# Altium PCB SensorMotherBoard.PcbDoc (part 1 of 2) (continued)
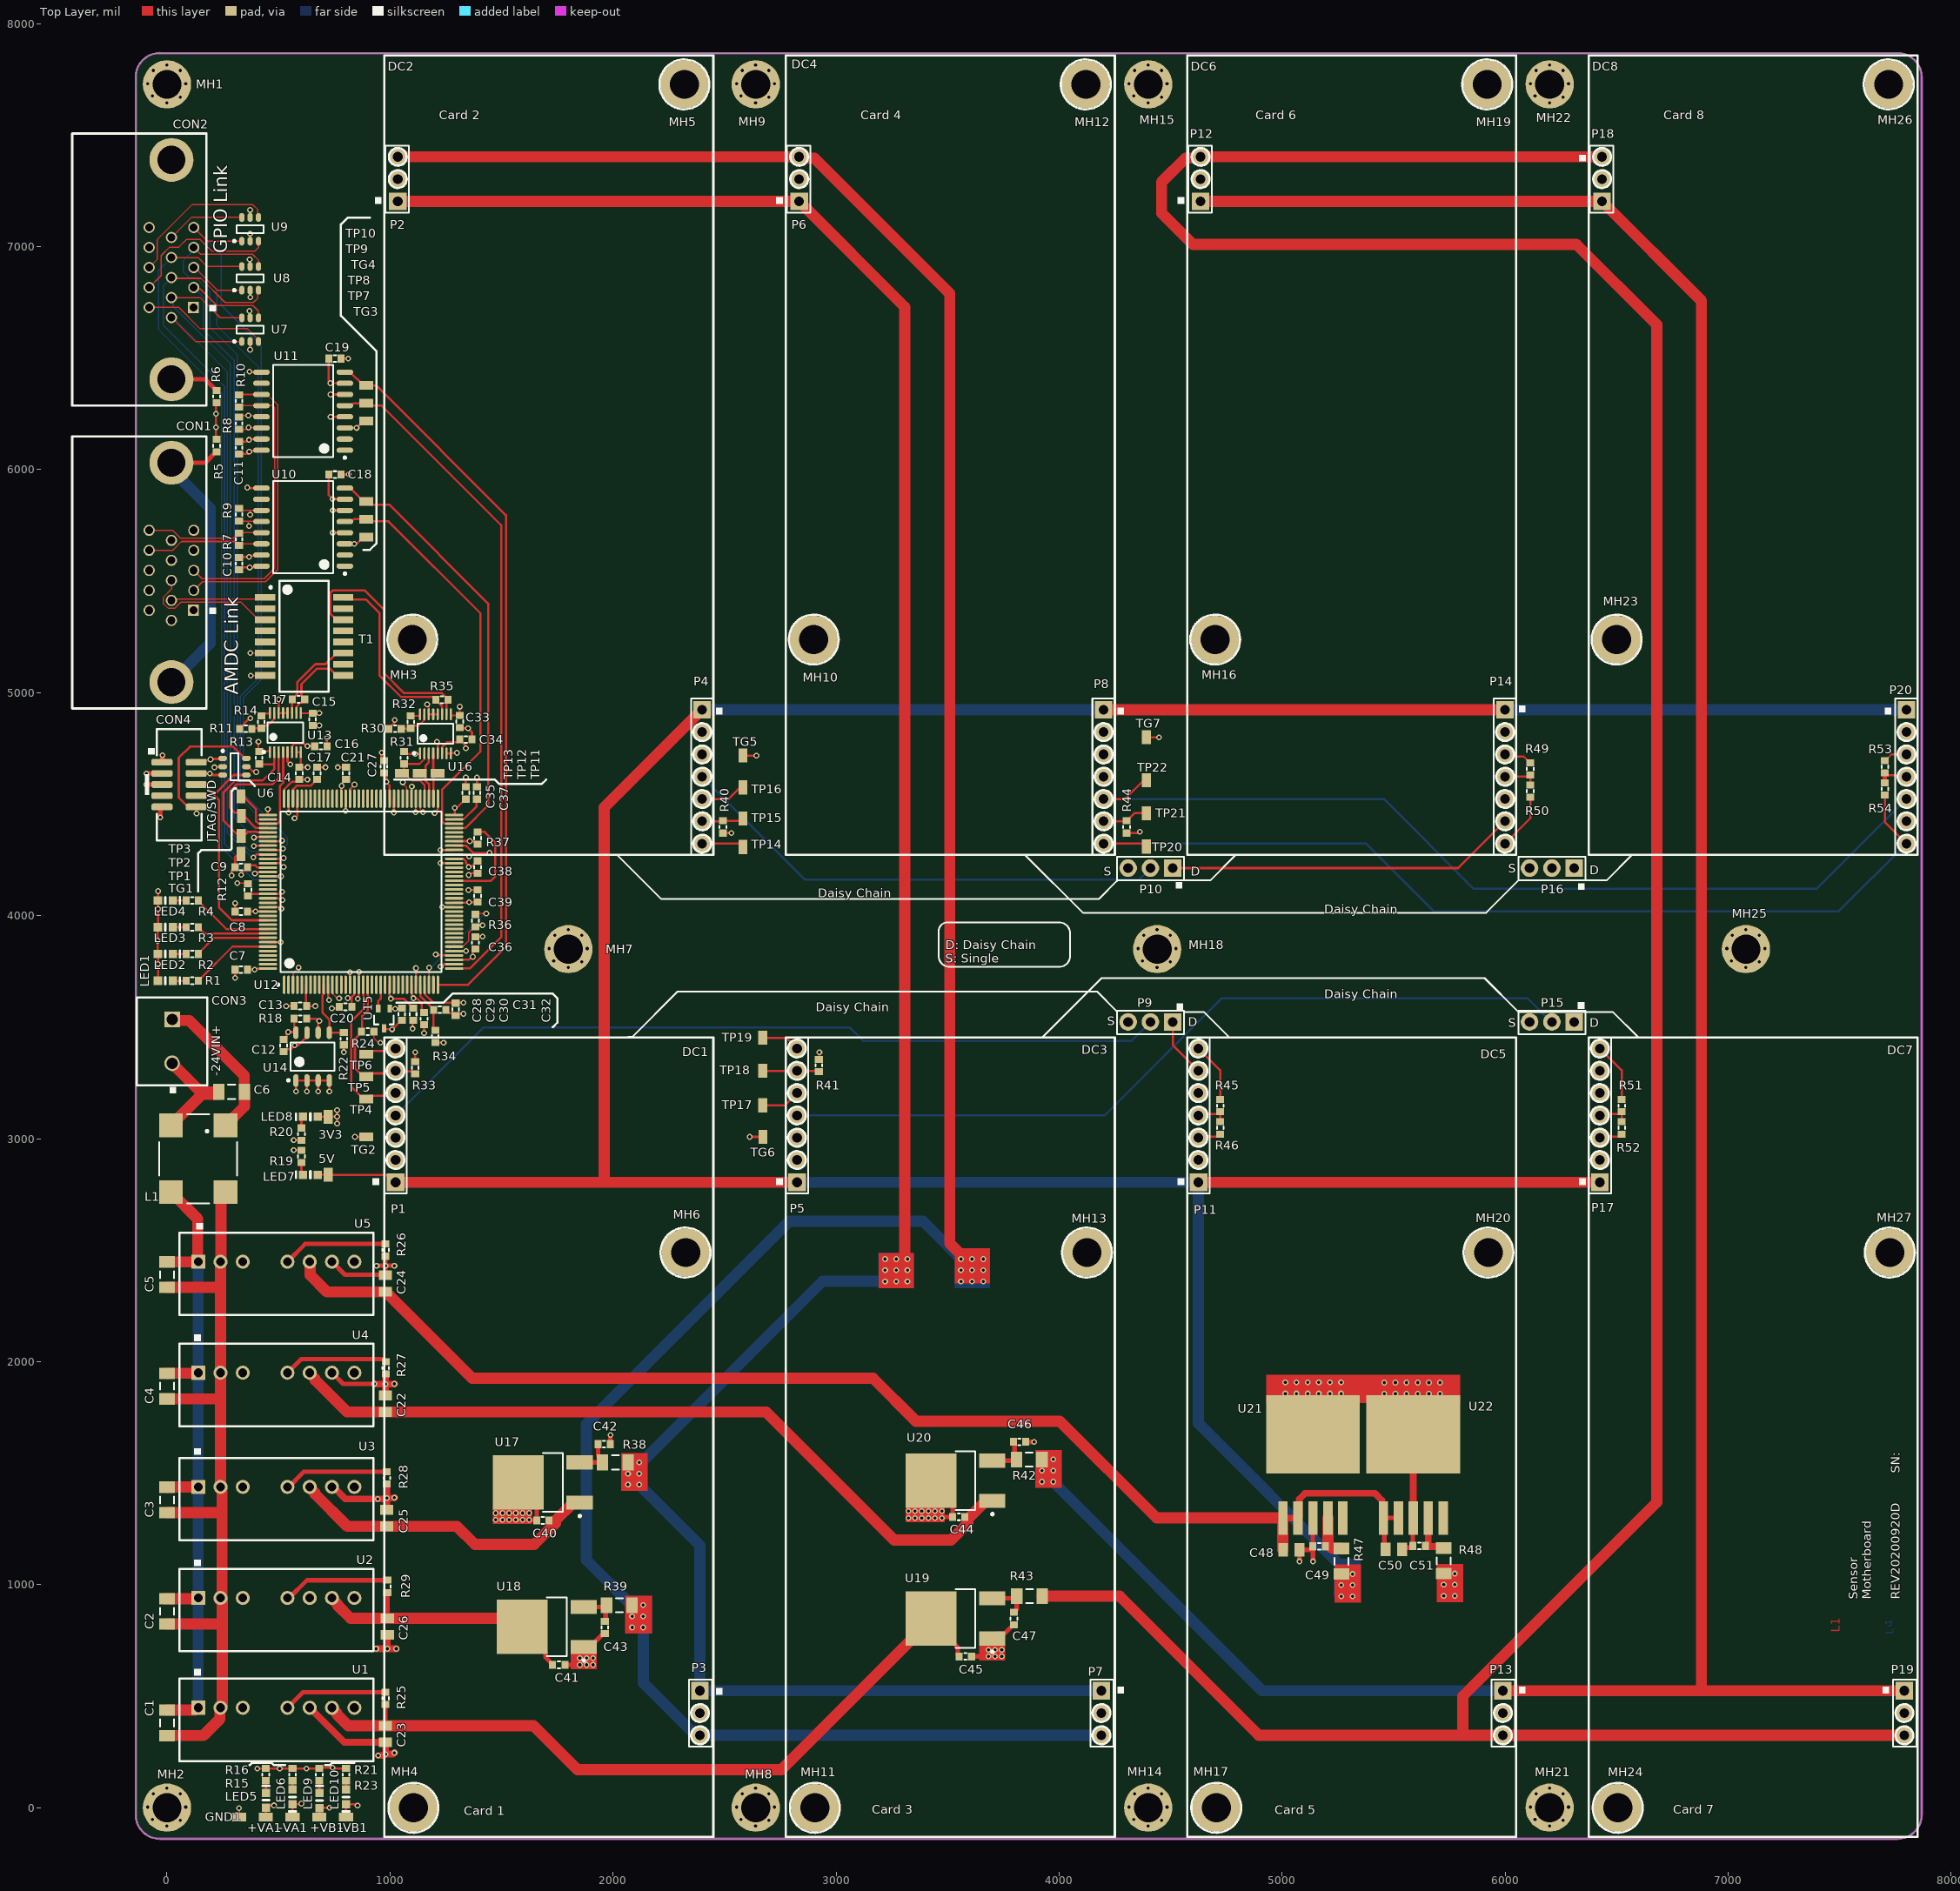
[diagram p0: Top Layer view]
## Footprints (in the part's own frame and the unit in brackets; to place one, negate y for a bottom-side part, rotate by r counter-clockwise, add the part's x,y. Pads: shape width x height; smd on the part's side, far side on the other; paste and mask are expansions set on the pad)
5-DDPAK [mil] "Q PACKAGE  5-LEAD PLASTIC DD"
  rect 42x150 smd: 1(-134,0) 2(-67,0) 3(0,0) 4(67,0) 5(134,0)
  rect 420x350 smd: 6(0,375)
  body extent -200,-7 200,545, height 180
0603-CAP [mm]
  rect 0.8x0.9 smd: 1(-0.7,0) 2(0.7,0)
  silkscreen extent -0.13,-0.38 0.15,0.38, body extent -0.8,-0.4 0.8,0.4, height 0.79
0603-LED [mm]
  rect 0.95x0.95 smd: A(0.85,0) C(-0.85,0)
  silkscreen extent -1.65,-0.38 0,0.38, body extent -0.83,-0.37 0.82,0.81, height 0.8
0603-RES [mm]
  rect 0.8x0.9 smd: 1(-0.7,0) 2(0.7,0)
  silkscreen extent -0.13,-0.38 0.15,0.38, body extent -0.8,-0.38 0.8,0.42, height 0.44
1935161 [mil] "TERM BLOCK PCB 2POS 5.0MM GREEN"
  rect 70x70 hole 51.18: 1(-98.43,0)
  round 70 hole 51.18: 2(98.43,0)
  silkscreen extent -197,-157 197,157
20021521-00010D4LF [mm] "CONN HEADER SMD 10POS 1.27MM"
  rrect50% 0.76x2.4 smd: 1(-2.54,-1.95) 2(-2.54,1.95) 3(-1.27,-1.95) 4(-1.27,1.95) 5(0,-1.95) 6(0,1.95) 7(1.27,-1.95) 8(1.27,1.95) 9(2.54,-1.95) 10(2.54,1.95)
  silkscreen extent -6.32,-3.9 6.38,2.55, body extent -6.32,-2.75 6.33,2.75, height 5.65
CAP-0603 [mm]
  rect 0.8x0.9 smd: 1(-0.7,0) 2(0.7,0)
  silkscreen extent -0.13,-0.38 0.15,0.38, body extent -0.8,-0.4 0.8,0.4, height 0.79
CAP-0805 [mm] "Chip Capacitor, Body 2.0x1.3mm, IPC Medium Density"
  rect 1.1x1.5 smd: 1(-0.94,0) 2(0.94,0)
  body extent -1.1,-0.72 1.1,0.72, height 1.1
CAP-1206 [mm] "Chip Capacitor Body 3.2x1.6mm, IPC Medium Density"
  rect 1.3x1.8 smd: 1(-1.45,0) 2(1.45,0)
  silkscreen extent -0.4,-0.8 0.4,0.8, body extent -1.6,-0.87 1.6,0.87, height 1.7
DPAK229P991X238-3N [mm] "D-PAK, 3-Pads, Body 6.21x6.73mm (max), IPC Medium Density"
  rect 3x1.6 smd: 1(-4.08,2.285) 3(-4.08,-2.285)
  rect 5.8x6.2 smd: 4(2.9,0)
  silkscreen extent -4.23,-3.35 0.1,3.93, body extent -5.16,-3.37 4.75,3.37, height 2.38
"HDR1X3 - MALE" [mm]
  rect 2x2 hole 1.1: 1(0,0)
  round 2 hole 1.1: 2(2.54,0) 3(5.08,0)
  silkscreen extent -1.27,-1.27 6.35,1.4, body extent -1.27,-1.21 6.35,1.33, height 8.77
HDR1X7 [mm]
  rect 2x2 hole 1.1: 1(0,0)
  round 2 hole 1.1: 2(2.54,0) 3(5.08,0) 4(7.62,0) 5(10.16,0) 6(12.7,0) 7(15.24,0)
  silkscreen extent -1.27,-1.27 16.51,1.27, body extent -1.27,-1.24 16.51,1.25, height 8.54
HX1188NLT [mil] "XFRMR MAGNETIC 1PORT 1:1 10/100"
  rect 30x90 smd: 1(-175,-175) 2(-125,-175) 3(-75,-175) 4(-25,-175) 5(25,-175) 6(75,-175) 7(125,-175) 8(175,-175) 9(175,175) 10(125,175) 11(75,175) 12(25,175) 13(-25,175) 14(-75,175) 15(-125,175) 16(-175,175)
  silkscreen extent -250,-155 248,110, body extent -250,-181 250,189, height 235
ICD15S [mm] "CONN DSUB HD RCPT 15POS R/A SLDR"
  rect 1.27x1.27 hole 0.9: 1(4.305,2.5)
  round 1.27 hole 0.9: 2(2.045,2.54) 3(-0.235,2.54) 4(-2.515,2.54) 5(-4.795,2.54) 6(5.465,0) 7(3.185,0) 8(0.905,0) 9(-1.375,0) 10(-3.655,0) 11(4.325,-2.54) 12(2.045,-2.54) 13(-0.235,-2.54) 14(-2.515,-2.54) 15(-4.795,-2.54)
  round 5 hole 3.2: SH1(12.495,0) SH2(-12.495,0)
  silkscreen extent -15.5,-11.3 15.5,4, body extent -15.5,-17.58 15.5,4, height 12.65
"MOUNTING HOLE - M3"#1 [mm]
  round 5.5 hole 3.3: 1(3.048,0.381)
"MOUNTING HOLE - M3"#2 [mm]
  round 5.5 hole 3.3: 1(-203.962,-0.965)
"MOUNTING HOLE - M3"#3 [mm]
  round 5.5 hole 3.3: 1(8.644,-189.245)
"MOUNTING HOLE - M3"#4 [mm]
  round 5.5 hole 3.3: 1(-12.319,-252.857)
"MOUNTING HOLE - M3"#5 [mm]
  round 5.5 hole 3.3: 1(-196.215,-0.508)
"MOUNTING HOLE - M3"#6 [mm]
  round 5.5 hole 3.3: 1(-22.86,-252.857)
"MOUNTING HOLE - M3"#7 [mm]
  round 5.5 hole 3.3: 1(-20.46,2.563)
"MOUNTING HOLE - M3"#8 [mm]
  round 5.5 hole 3.3: 1(-137.782,-0.965)
"MOUNTING HOLE - M3"#9 [mm]
  round 5.5 hole 3.3: 1(2.703,120.483)
"MOUNTING HOLE - M3"#10 [mm]
  round 5.5 hole 3.3: 1(175.111,-150.495)
"MOUNTING HOLE - M3"#11 [mm]
  round 5.5 hole 3.3: 1(134.641,-363.519)
"MOUNTING HOLE - M3"#12 [mm]
  round 5.5 hole 3.3: 1(33.401,34.232)
"MOUNTING HOLE - M3"#13 [mm]
  round 5.5 hole 3.3: 1(493.013,-236.842)
"MOUNTING HOLE - M3"#14 [mm]
  round 5.5 hole 3.3: 1(-92.202,-0.965)
"MOUNTING HOLE - M3"#15 [mm]
  round 5.5 hole 3.3: 1(-12.7,-26.289)
"MOUNTING HOLE - M3"#16 [mm]
  round 5.5 hole 3.3: 1(-9.271,0.254)
"MOUNTING HOLE - M3"#17 [mm]
  round 5.5 hole 3.3: 1(63.852,-381.647)
"MOUNTING HOLE - M3"#18 [mm]
  round 5.5 hole 3.3: 1(-19.654,-0.726)
"MOUNTING HOLE - M3"#19 [mm]
  round 5.5 hole 3.3: 1(39.751,-151.511)
"MOUNTING HOLE - M3"#20 [mm]
  round 5.5 hole 3.3: 1(183.917,-323.71)
"MOUNTING HOLE - M3"#21 [mm]
  round 5.5 hole 3.3: 1(-53.848,-0.965)
"MOUNTING HOLE - M3"#22 [mm]
  round 5.5 hole 3.3: 1(26.035,-26.289)
"MOUNTING HOLE - M3"#23 [mm]
  round 5.5 hole 3.3: 1(225.294,-158.508)
"MOUNTING HOLE - M3"#24 [mm]
  round 5.5 hole 3.3: 1(-0.14,0.023)
"MOUNTING HOLE - M3"#25 [mm]
  round 5.5 hole 3.3: 1(3.556,-122.047)
"MOUNTING HOLE - M3"#26 [mm]
  round 5.5 hole 3.3: 1(561.742,-253.098)
RCU-0C#1 [mm] "0603 PROBE PAD"
  rect 1x1.6 smd: 1(0,0)
  body extent -0.44,-0.8 0.46,0.8, height 1.12
RCU-0C#2 [mm] "0603 PROBE PAD"
  rect 1.6x1 smd: 1(0,0)
  body extent -0.44,-0.8 0.46,0.8, height 1.12
RES-0603 [mm]
  rect 0.8x0.9 smd: 1(-0.7,0) 2(0.7,0)
  silkscreen extent -0.13,-0.38 0.15,0.38, body extent -0.8,-0.38 0.8,0.42, height 0.44
RES-1206 [mm] "Chip Resistor, Body 3.2x1.6mm, IPC Medium Density"
  rect 1.3x1.8 smd: 1(-1.45,0) 2(1.45,0)
  silkscreen extent -0.4,-0.8 0.4,0.8, body extent -1.6,-0.8 1.6,0.8, height 0.6
"RS6 DCDC" [mm]
  rect 1.6x1.6 hole 1: 1(0,0)
  round 1.6 hole 1: 2(2.54,0) 3(5.08,0) 5(10.16,0) 6(12.7,0) 7(15.24,0) 8(17.78,0)
  silkscreen extent -2.16,-6.08 19.94,3.3, body extent -2.03,-5.97 19.81,3.17, height 11.1
SENSORBOARD [mil]
  silkscreen extent -130,-130 1345,3455, body extent -125,-125 1340,3450, height 1475
SOIC127P600X175-8N [mm] "SOIC, 8-Leads, Body 4.90x3.90mm, Pitch 1.27mm, IPC Medium Density"
  oval 1.45x0.6 smd: 1(-2.725,1.905) 2(-2.725,0.635) 3(-2.725,-0.635) 4(-2.725,-1.905) 5(2.725,-1.905) 6(2.725,-0.635) 7(2.725,0.635) 8(2.725,1.905)
  silkscreen extent -2.85,-2.5 1.6,2.88, body extent -3,-2.5 3,2.5, height 1.75
SOIC127P1030X265-16N [mm] "SOIC, 16-Leads, Body 10.30x7.50mm, Pitch 1.27mm, IPC Medium Density"
  oval 1.9x0.6 smd: 1(-4.75,4.445) 2(-4.75,3.175) 3(-4.75,1.905) 4(-4.75,0.635) 5(-4.75,-0.635) 6(-4.75,-1.905) 7(-4.75,-3.175) 8(-4.75,-4.445) 9(4.75,-4.445) 10(4.75,-3.175) 11(4.75,-1.905) 12(4.75,-0.635) 13(4.75,0.635) 14(4.75,1.905) 15(4.75,3.175) 16(4.75,4.445)
  silkscreen extent -4.88,-5.25 3.4,5.42, body extent -5.15,-5.25 5.15,5.25, height 2.65
SOT65P210X110-3N [mm] "SOT23, 3-Leads, Body 2.00x2.10mm, Pitch 0.65mm, IPC Medium Density"
  rect 0.9x0.5 smd: 1(-1.125,0.65) 2(-1.125,-0.65) 3(1.125,0)
  silkscreen extent -0.32,-1.1 0.67,1.1, body extent -1.3,-1.1 1.3,1.1, height 1.1
STM-LQFP144_M [mm] "Thin QFP, 144-Leads, Body 20x20mm, Pitch 0.5mm, IPC Low Density"
  oval 2.1x0.3 smd: 1(-10.6,8.75) 2(-10.6,8.25) 3(-10.6,7.75) 4(-10.6,7.25) 5(-10.6,6.75) 6(-10.6,6.25) 7(-10.6,5.75) 8(-10.6,5.25) 9(-10.6,4.75) 10(-10.6,4.25) 11(-10.6,3.75) 12(-10.6,3.25) 13(-10.6,2.75) 14(-10.6,2.25) 15(-10.6,1.75) 16(-10.6,1.25) 17(-10.6,0.75) 18(-10.6,0.25) 19(-10.6,-0.25) 20(-10.6,-0.75) 21(-10.6,-1.25) 22(-10.6,-1.75) 23(-10.6,-2.25) 24(-10.6,-2.75) 25(-10.6,-3.25) 26(-10.6,-3.75) 27(-10.6,-4.25) 28(-10.6,-4.75) 29(-10.6,-5.25) 30(-10.6,-5.75) 31(-10.6,-6.25) 32(-10.6,-6.75) 33(-10.6,-7.25) 34(-10.6,-7.75) 35(-10.6,-8.25) 36(-10.6,-8.75) 73(10.6,-8.75) 74(10.6,-8.25) 75(10.6,-7.75) 76(10.6,-7.25) 77(10.6,-6.75) 78(10.6,-6.25) 79(10.6,-5.75) 80(10.6,-5.25) 81(10.6,-4.75) 82(10.6,-4.25) 83(10.6,-3.75) 84(10.6,-3.25) 85(10.6,-2.75) 86(10.6,-2.25) 87(10.6,-1.75) 88(10.6,-1.25) 89(10.6,-0.75) 90(10.6,-0.25) 91(10.6,0.25) 92(10.6,0.75) 93(10.6,1.25) 94(10.6,1.75) 95(10.6,2.25) 96(10.6,2.75) 97(10.6,3.25) 98(10.6,3.75) 99(10.6,4.25) 100(10.6,4.75) 101(10.6,5.25) 102(10.6,5.75) 103(10.6,6.25) 104(10.6,6.75) 105(10.6,7.25) 106(10.6,7.75) 107(10.6,8.25) 108(10.6,8.75)
  oval 0.3x2.1 smd: 37(-8.75,-10.6) 38(-8.25,-10.6) 39(-7.75,-10.6) 40(-7.25,-10.6) 41(-6.75,-10.6) 42(-6.25,-10.6) 43(-5.75,-10.6) 44(-5.25,-10.6) 45(-4.75,-10.6) 46(-4.25,-10.6) 47(-3.75,-10.6) 48(-3.25,-10.6) 49(-2.75,-10.6) 50(-2.25,-10.6) 51(-1.75,-10.6) 52(-1.25,-10.6) 53(-0.75,-10.6) 54(-0.25,-10.6) 55(0.25,-10.6) 56(0.75,-10.6) 57(1.25,-10.6) 58(1.75,-10.6) 59(2.25,-10.6) 60(2.75,-10.6) 61(3.25,-10.6) 62(3.75,-10.6) 63(4.25,-10.6) 64(4.75,-10.6) 65(5.25,-10.6) 66(5.75,-10.6) 67(6.25,-10.6) 68(6.75,-10.6) 69(7.25,-10.6) 70(7.75,-10.6) 71(8.25,-10.6) 72(8.75,-10.6) 109(8.75,10.6) 110(8.25,10.6) 111(7.75,10.6) 112(7.25,10.6) 113(6.75,10.6) 114(6.25,10.6) 115(5.75,10.6) 116(5.25,10.6) 117(4.75,10.6) 118(4.25,10.6) 119(3.75,10.6) 120(3.25,10.6) 121(2.75,10.6) 122(2.25,10.6) 123(1.75,10.6) 124(1.25,10.6) 125(0.75,10.6) 126(0.25,10.6) 127(-0.25,10.6) 128(-0.75,10.6) 129(-1.25,10.6) 130(-1.75,10.6) 131(-2.25,10.6) 132(-2.75,10.6) 133(-3.25,10.6) 134(-3.75,10.6) 135(-4.25,10.6) 136(-4.75,10.6) 137(-5.25,10.6) 138(-5.75,10.6) 139(-6.25,10.6) 140(-6.75,10.6) 141(-7.25,10.6) 142(-7.75,10.6) 143(-8.25,10.6) 144(-8.75,10.6)
  silkscreen extent -10.72,-9.15 9.15,9.57, body extent -10,-10 10,10, height 1.6
TSOP95P280X110-6N [mm] "TSOP, 6-Leads, Body 3.00x1.50mm, Pitch 0.95mm, IPC Medium Density"
  oval 1x0.6 smd: 1(-1.35,0.95) 2(-1.35,0) 3(-1.35,-0.95) 4(1.35,-0.95) 5(1.35,0) 6(1.35,0.95)
  silkscreen extent -1.47,-1.55 0.45,1.92, body extent -1.38,-1.55 1.38,1.55, height 1.1
TSSOP50P490X110-16N [mm] "TSSOP, 16-Leads, Body 4.00x3.00mm, Pitch 0.50mm, IPC Medium Density"
  oval 1.35x0.254 smd mask+0.051: 1(-2.225,1.75) 2(-2.225,1.25) 3(-2.225,0.75) 4(-2.225,0.25) 5(-2.225,-0.25) 6(-2.225,-0.75) 7(-2.225,-1.25) 8(-2.225,-1.75) 9(2.225,-1.75) 10(2.225,-1.25) 11(2.225,-0.75) 12(2.225,-0.25) 13(2.225,0.25) 14(2.225,0.75) 15(2.225,1.25) 16(2.225,1.75)
  silkscreen extent -2.35,-2.05 1.15,2.57, body extent -2.45,-2.05 2.45,2.05, height 1.1
WE-SL5 [mm] "SMD Inductor, Body 8.3 x 9.5 mm"
  rect 2.7x2.7 smd: 1(-3.81,3.11) 2(-3.81,-3.11) 3(3.81,-3.11) 4(3.81,3.11)
  silkscreen extent -5.08,-4.44 5.08,4.44, body extent -4.75,-4.17 4.75,4.13, height 5.25

## Part data
3V3 5V +VA1 +VB1 -VA1 -VB1 GND1 TG1 TG2 TG3 TG4 TG5 TG6 TG7 TP1 TP2 TP3 TP4 TP5 TP6 TP7 TP8 TP9 TP10 TP11 TP12 TP13 TP14 TP15 TP16 TP17 TP18 TP19 TP20 TP21 TP22: library part CMP-2000-05575-1, "PC TEST POINT NATURAL", Supplier Part Number 1=A106145CT-ND, Supplier 1=Digi-Key
  3V3 5V +VA1 +VB1 -VA1 -VB1 GND1 TG1 TG2 TG3 TG4 TG5 TG6 TG7 TP1 TP2 TP3 TP4 TP5 TP6 TP7 TP8 TP9 TP10 TP11 TP12 TP13 TP14 TP15 TP16 TP17 TP18 TP19 TP21 TP22: ComponentLink1Description=https://datasheet.ciiva.com/2917/5000-5004-2917632.pdf?src-supplier=Digi-Key, ComponentLink1URL=https://datasheet.ciiva.com/2917/5000-5004-2917632.pdf?src-supplier=Digi-Key, ComponentLink2Description=https://datasheet.ciiva.com/16507/m60-2p60-16507925.pdf?src-supplier=Future+Electronics, ComponentLink2URL=https://datasheet.ciiva.com/16507/m60-2p60-16507925.pdf?src-supplier=Future+Electronics, ComponentLink3Description=https://datasheet.ciiva.com/1454/1703983-1454827.pdf?src-supplier=Element14, ComponentLink3URL=https://datasheet.ciiva.com/1454/1703983-1454827.pdf?src-supplier=Element14
C1 C2 C3 C4 C5 C6: library part Cap, "Cap Ceramic 6.8uF 50V JB 10% SMD 1206 85°C Punched Paper T/R", Capacitance=6.8uF, Case Code (Imperial)=1206, Case Code (Metric)=3216, Dielectric Material=Ceramic, Manufacturer=TDK, Manufacturer Part Number=C3216JB1H685K160AB, Max Operating Temperature=85°C, Min Operating Temperature=-25°C, Package Quantity=1, Supplier Part Number 1=445-11734-1-ND, Tolerance=10%, Voltage Rating=50V, Case/Package=1206, Category="Ceramic Capacitors", Composition=Ceramic, Height=1.6mm, Lead Free="Lead Free", Length=0.126inch, Mount="Surface Mount", Packaging="Tape and Reel", Pricing 1="1=1.08000, 10=0.82200, 100=0.58820, 500=0.45540, 1000=0.39215 (USD)", RoHS=Yes, Stock 1=5993, Supplier 1=Digi-Key, Termination=SMD/SMT, Thickness=0.069inch, Voltage Rating (DC)=50V, Width=0.063inch
  C1 C3 C4 C5 C6: ComponentLink1Description=https://datasheet.ciiva.com/24217/c3216x5r1h685k160ab-265286-24217008.pdf?src-supplier=Mouser, ComponentLink1URL=https://datasheet.ciiva.com/24217/c3216x5r1h685k160ab-265286-24217008.pdf?src-supplier=Mouser, ComponentLink2Description=https://datasheet.ciiva.com/6253/tdkmlcccaprange-6253149.pdf?src-supplier=Digi-Key, ComponentLink2URL=https://datasheet.ciiva.com/6253/tdkmlcccaprange-6253149.pdf?src-supplier=Digi-Key, ComponentLink3Description=https://datasheet.ciiva.com/14907/tdkmlcccaprange-14907192.pdf?src-supplier=Digi-Key, ComponentLink3URL=https://datasheet.ciiva.com/14907/tdkmlcccaprange-14907192.pdf?src-supplier=Digi-Key, ComponentLink4Description=https://datasheet.ciiva.com/14907/tdkmlcccaprange-14907191.pdf?src-supplier=Digi-Key, ComponentLink4URL=https://datasheet.ciiva.com/14907/tdkmlcccaprange-14907191.pdf?src-supplier=Digi-Key
  C2: ComponentLink1Description=https://datasheet.ciiva.com/14907/tdkmlcccaprange-14907192.pdf?src-supplier=Digi-Key, ComponentLink1URL=https://datasheet.ciiva.com/14907/tdkmlcccaprange-14907192.pdf?src-supplier=Digi-Key, ComponentLink2Description=https://datasheet.ciiva.com/14907/tdkmlcccaprange-14907191.pdf?src-supplier=Digi-Key, ComponentLink2URL=https://datasheet.ciiva.com/14907/tdkmlcccaprange-14907191.pdf?src-supplier=Digi-Key
C7 C8 C9 C10 C11 C12 C13 C14 C15 C16 C17 C18 C19 C20 C21 C27 C28 C29 C30 C31 C32 C33 C34 C35 C36 C37 C38 C39: Supplier Part Number 1=311-1343-1-ND, Supplier 1=Digi-Key
C22 C23 C25 C26 C48 C50: library part Capacitor, "Capacitor", Case/Package=0805, Case Code (Metric)=2012, Dielectric=X5R, Manufacturer=Murata, Manufacturer Part Number=GRM21BR61E106MA73L, Max Operating Temperature=85°C, Min Operating Temperature=-55°C, Package Quantity=3000, Supplier Part Number 1=490-10748-6-ND, Tolerance=20%, Voltage Rating=25V, Capacitance=10uF, Case Code (Imperial)=0805, ComponentLink1Description=https://search.murata.co.jp/Ceramy/image/img/A01X/G101/ENG/GRM21BR61E106MA73-01.pdf?src-supplier=Digi-Key, ComponentLink1URL=https://search.murata.co.jp/Ceramy/image/img/A01X/G101/ENG/GRM21BR61E106MA73-01.pdf?src-supplier=Digi-Key, ComponentLink2Description=http://www.farnell.com/datasheets/2079185.pdf?src-supplier=Farnell, ComponentLink2URL=http://www.farnell.com/datasheets/2079185.pdf?src-supplier=Farnell, ComponentLink3Description=http://components.arrow.com/part/dataview/0323_03061623?src-supplier=Arrow+Europe, ComponentLink3URL=http://components.arrow.com/part/dataview/0323_03061623?src-supplier=Arrow+Europe, ComponentLink4Description=http://www.mouser.com/ds/2/281/c02e-2905.pdf?src-supplier=Mouser, ComponentLink4URL=http://www.mouser.com/ds/2/281/c02e-2905.pdf?src-supplier=Mouser, ComponentLink5Description=http://www.farnell.com/datasheets/2079185.pdf?src-supplier=Element14, ComponentLink5URL=http://www.farnell.com/datasheets/2079185.pdf?src-supplier=Element14, Composition=Ceramic, Depth=1.25mm, Height=1.25mm, Lead Free="Lead Free", Length=2mm, Mount="Surface Mount", Packaging="Tape and Reel", Pricing 1="1=0.29, 10=0.197, 100=0.1118, 500=0.07894, 1000=0.06907 (USD)", REACH SVHC="No SVHC", Stock 1=175270, Supplier 1=Digi-Key, Termination=SMD/SMT, Thickness=0.055inch, Voltage Rating (DC)=25V, Weight=0.000335oz, Width=0.049inch
C24: library part Capacitor, "Capacitor", Case Code (Imperial)=0805, Case Code (Metric)=2012, Dielectric=X5R, Manufacturer=Murata, Manufacturer Part Number=GRM21BR61E106MA73L, Max Operating Temperature=85°C, Min Operating Temperature=-55°C, Package Quantity=3000, Supplier Part Number 1=490-10748-6-ND, Tolerance=20%, Voltage Rating=25V, Capacitance=10uF, Case/Package=0805, ComponentLink1Description=https://search.murata.co.jp/Ceramy/image/img/A01X/G101/ENG/GRM21BR61E106MA73-01.pdf?src-supplier=Digi-Key, ComponentLink1URL=https://search.murata.co.jp/Ceramy/image/img/A01X/G101/ENG/GRM21BR61E106MA73-01.pdf?src-supplier=Digi-Key, ComponentLink2Description=http://www.farnell.com/datasheets/2079185.pdf?src-supplier=Farnell, ComponentLink2URL=http://www.farnell.com/datasheets/2079185.pdf?src-supplier=Farnell, ComponentLink3Description=http://components.arrow.com/part/dataview/0323_03061623?src-supplier=Arrow+Europe, ComponentLink3URL=http://components.arrow.com/part/dataview/0323_03061623?src-supplier=Arrow+Europe, ComponentLink4Description=http://www.mouser.com/ds/2/281/c02e-2905.pdf?src-supplier=Mouser, ComponentLink4URL=http://www.mouser.com/ds/2/281/c02e-2905.pdf?src-supplier=Mouser, ComponentLink5Description=http://www.farnell.com/datasheets/2079185.pdf?src-supplier=Element14, ComponentLink5URL=http://www.farnell.com/datasheets/2079185.pdf?src-supplier=Element14, Composition=Ceramic, Depth=1.25mm, Height=1.25mm, Lead Free="Lead Free", Length=2mm, Mount="Surface Mount", Packaging="Tape and Reel", Pricing 1="1=0.29, 10=0.197, 100=0.1118, 500=0.07894, 1000=0.06907 (USD)", REACH SVHC="No SVHC", Stock 1=175270, Supplier 1=Digi-Key, Termination=SMD/SMT, Thickness=0.055inch, Voltage Rating (DC)=25V, Weight=0.000335oz, Width=0.049inch
C40 C41 C42 C43 C44 C45 C46 C47: library part Capacitor, "Capacitor", Case/Package=0603, Case Code (Metric)=1608, Dielectric=X5R, Manufacturer=Yageo, Manufacturer Part Number=CC0603KRX5R8BB105, Max Operating Temperature=85°C, Min Operating Temperature=-55°C, Package Quantity=1, Supplier Part Number 1=311-1445-6-ND, Tolerance=10%, Voltage Rating=25V, Capacitance=1uF, Case Code (Imperial)=0603, ComponentLink1Description=http://www.yageo.com/documents/recent/UPY-GPHC_X5R_4V-to-50V_25.pdf?src-supplier=Digi-Key, ComponentLink1URL=http://www.yageo.com/documents/recent/UPY-GPHC_X5R_4V-to-50V_25.pdf?src-supplier=Digi-Key, ComponentLink2Description=http://www.yageo.com/documents/recent/UPY-GPHC_X5R_4V-to-50V_12.pdf?src-supplier=Avnet+Europe, ComponentLink2URL=http://www.yageo.com/documents/recent/UPY-GPHC_X5R_4V-to-50V_12.pdf?src-supplier=Avnet+Europe, ComponentLink3Description=http://www.farnell.com/datasheets/1525783.pdf?src-supplier=Element14, ComponentLink3URL=http://www.farnell.com/datasheets/1525783.pdf?src-supplier=Element14, ComponentLink4Description=http://www.yageo.com/documents/recent/UPY-GPHC_X5R_4V-to-50V_12.pdf?src-supplier=Avnet, ComponentLink4URL=http://www.yageo.com/documents/recent/UPY-GPHC_X5R_4V-to-50V_12.pdf?src-supplier=Avnet, Depth=0.8mm, Halogen Free="Halogen Free", Height=0.8mm, Lead Free="Lead Free", Length=1.6mm, Mount="Surface Mount", Number of Pins=2, Packaging="Tape and Reel", Pricing 1="1=0.13, 10=0.093, 100=0.0437, 500=0.03066, 1000=0.02539 (USD)", Radiation Hardening=No, REACH SVHC="No SVHC", Stock 1=73024, Supplier 1=Digi-Key, Termination=SMD/SMT, Thickness=0.035inch, Voltage Rating (DC)=25V, Width=0.031inch
C49 C51: library part Capacitor, "Capacitor", Case Code (Imperial)=0603, Case Code (Metric)=1608, Dielectric=X5R, Manufacturer=Yageo, Manufacturer Part Number=CC0603KRX5R8BB105, Max Operating Temperature=85°C, Min Operating Temperature=-55°C, Package Quantity=1, Supplier Part Number 1=311-1445-6-ND, Tolerance=10%, Voltage Rating=25V, Capacitance=1uF, Case/Package=0603, ComponentLink1Description=http://www.yageo.com/documents/recent/UPY-GPHC_X5R_4V-to-50V_25.pdf?src-supplier=Digi-Key, ComponentLink1URL=http://www.yageo.com/documents/recent/UPY-GPHC_X5R_4V-to-50V_25.pdf?src-supplier=Digi-Key, ComponentLink2Description=http://www.yageo.com/documents/recent/UPY-GPHC_X5R_4V-to-50V_12.pdf?src-supplier=Avnet+Europe, ComponentLink2URL=http://www.yageo.com/documents/recent/UPY-GPHC_X5R_4V-to-50V_12.pdf?src-supplier=Avnet+Europe, ComponentLink3Description=http://www.farnell.com/datasheets/1525783.pdf?src-supplier=Element14, ComponentLink3URL=http://www.farnell.com/datasheets/1525783.pdf?src-supplier=Element14, ComponentLink4Description=http://www.yageo.com/documents/recent/UPY-GPHC_X5R_4V-to-50V_12.pdf?src-supplier=Avnet, ComponentLink4URL=http://www.yageo.com/documents/recent/UPY-GPHC_X5R_4V-to-50V_12.pdf?src-supplier=Avnet, Depth=0.8mm, Halogen Free="Halogen Free", Height=0.8mm, Lead Free="Lead Free", Length=1.6mm, Mount="Surface Mount", Number of Pins=2, Packaging="Tape and Reel", Pricing 1="1=0.13, 10=0.093, 100=0.0437, 500=0.03066, 1000=0.02539 (USD)", Radiation Hardening=No, REACH SVHC="No SVHC", Stock 1=73024, Supplier 1=Digi-Key, Termination=SMD/SMT, Thickness=0.035inch, Voltage Rating (DC)=25V, Width=0.031inch
CON1 CON2: library part ICD15S13E6GX00LF, "AMPHENOL ICC (FCI) - ICD15S13E4GV00LF - D-SUB CONN, RCPT, R/A, 15POS, TH", Color=Black, Current Rating=3A, Manufacturer="Amphenol FCI", Max Operating Temperature=125°C, Max Supply Voltage (AC)=300V, Min Operating Temperature=-55°C, Package Quantity=100, Supplier Part Number 1=609-5180-ND, Category="D-Sub Connectors", ComponentLink1Description=https://datasheet.ciiva.com/658/c-cd-0021-658447.pdf?src-supplier=Digi-Key, ComponentLink1URL=https://datasheet.ciiva.com/658/c-cd-0021-658447.pdf?src-supplier=Digi-Key, ComponentLink2Description=https://datasheet.ciiva.com/16749/c-cd-0012-16749061.pdf?src-supplier=Avnet+Europe, ComponentLink2URL=https://datasheet.ciiva.com/16749/c-cd-0012-16749061.pdf?src-supplier=Avnet+Europe, ComponentLink3Description=https://datasheet.ciiva.com/10370/c-cd-0012-10370845.pdf?src-supplier=Avnet, ComponentLink3URL=https://datasheet.ciiva.com/10370/c-cd-0012-10370845.pdf?src-supplier=Avnet, Connector Type=D-Sub,Receptacle,Signal, Contact Material="Copper Alloy", Contact Plating=Gold, Depth=21.7mm, Gender=Female, Housing Material=Polyester, Lead Free="Lead Free", Length=30.81mm, Manufacturer Part Number=ICD15S13E4GV00LF, Max Voltage Rating (AC)=300V, Mount="Through Hole", Number of Contacts=15, Number of Ports=1, Number of Positions=15, Number of Rows=3, Number of Terminals=15, Orientation="Right Angle", Packaging=Bulk, Pitch=2.28mm, Plating=Bright, Pricing 1="1=1.34000, 10=1.18100, 25=1.11160, 50=1.06540, 100=1.01900, 250=0.92640, 500=0.83376, 1000=0.74112, 2500=0.67164 (USD)", Radiation Hardening=No, RoHS=Yes, Stock 1=824, Supplier 1=Digi-Key, Termination=Solder, Voltage Rating=300V
CON3: Supplier Part Number 1=277-1667-ND, Supplier 1=Digi-Key
CON4: "CONN HEADER SMD 10POS 1.27MM", Supplier Part Number 1=609-6533-ND, Supplier 1=Digi-Key
L1: library part CMP-0222-00003-1, "SMD Common Mode Line Filter WE-SL5 HC, L = 9.00 µH", Case/Package=SMD/SMT, Current=3.5A, DC Resistance (DCR)=11mR, Inductance="9.00 ÂµH", Inductance Tolerance=25%, Manufacturer="Wurth Electronics", Max Operating Temperature=125°C, Min Operating Temperature=-40°C, Package Quantity=1000, Supplier Part Number 1=732-2215-6-ND, Test Frequency=100kHz, Voltage Rating (DC)=80V, ComponentLink1Description="Manufacturer Link", ComponentLink1URL=http://www.we-online.com, ComponentLink2Description=Datasheet, ComponentLink2URL=http://www.we-online.de/katalog/media/pdf/744273801.pdf, ComponentLink3Description=https://datasheet.ciiva.com/6215/744273801-6215152.pdf?src-supplier=Digi-Key, ComponentLink3URL=https://datasheet.ciiva.com/6215/744273801-6215152.pdf?src-supplier=Digi-Key, ComponentLink4Description=https://datasheet.ciiva.com/6048/1735681-6048514.pdf?src-supplier=Farnell, ComponentLink4URL=https://datasheet.ciiva.com/6048/1735681-6048514.pdf?src-supplier=Farnell, ComponentLink5Description=https://datasheet.ciiva.com/11800/0900766b80f886be-11800844.pdf?src-supplier=RSComponents, ComponentLink5URL=https://datasheet.ciiva.com/11800/0900766b80f886be-11800844.pdf?src-supplier=RSComponents, ComponentLink6Description=https://datasheet.ciiva.com/4952/744273801-77788-4952319.pdf?src-supplier=Mouser, ComponentLink6URL=https://datasheet.ciiva.com/4952/744273801-77788-4952319.pdf?src-supplier=Mouser, ComponentLink7Description=https://datasheet.ciiva.com/6215/744273801-6215157.pdf?src-supplier=Digi-Key, ComponentLink7URL=https://datasheet.ciiva.com/6215/744273801-6215157.pdf?src-supplier=Digi-Key, ComponentLink8Description=https://datasheet.ciiva.com/7764/1735681-7764966.pdf?src-supplier=Element14, ComponentLink8URL=https://datasheet.ciiva.com/7764/1735681-7764966.pdf?src-supplier=Element14, ComponentLink9Description=https://datasheet.ciiva.com/14123/744273801-eng-tds-14123645.pdf?src-supplier=Distrelec, ComponentLink9URL=https://datasheet.ciiva.com/14123/744273801-eng-tds-14123645.pdf?src-supplier=Distrelec, ComponentLink10Description=https://datasheet.ciiva.com/48690/001087412-da-01-ml-we-sl5-hc-stromk-smd-lin-fil-74427-de-en-48690507.pdf?src-supplier=Conrad, ComponentLink10URL=https://datasheet.ciiva.com/48690/001087412-da-01-ml-we-sl5-hc-stromk-smd-lin-fil-74427-de-en-48690507.pdf?src-supplier=Conrad, Core Material=Ferrite, Current Rating=3.5A, DatasheetVersion="ver 3, Feb-2010", Depth=8.3mm, Height=5.3mm, Impedance=800R, Length=9.5mm, Manufacturer Part Number=744273801, Max DC Current=3.5A, Mount="Surface Mount", Number of Lines=2, Number of Pins=4, PackageDescription="SMD Inductor, Body 8.3 x 9.5 mm", PackageReference=WE-SL5-HC, PackageVersion=2010, Packaging="Tape and Reel", Pricing 1="1=3.37000, 10=3.12500, 50=2.82200, 100=2.72200, 500=2.52000 (USD)", REACH SVHC="No SVHC", Resistance=11mR, RoHS=Yes, Series Resistance=11mR, Stock 1=4132, Supplier 1=Digi-Key, Termination=SMD/SMT, Tolerance=25%, Width=8.3mm
LED1: library part LED, "LED BLUE CLEAR 0603 SMD", Case Code (Imperial)=0603, Case Code (Metric)=1608, Color=Blue, Forward Current=20mA, Forward Voltage=3.8V, Lens Color=Colorless, Manufacturer="Vishay Lite-On", Manufacturer Part Number=LTST-C191TBKT, Max Operating Temperature=80°C, Max Power Dissipation=75mW, Min Operating Temperature=-20°C, Package Quantity=1, Power Dissipation=76mW, Reverse Voltage=5V, Supplier Part Number 1=160-1647-1-ND, Case/Package=0603, Category=LEDs, ComponentLink1Description=https://datasheet.ciiva.com/2110/ltst-c191tbkt-2110256.pdf?src-supplier=Digi-Key, ComponentLink1URL=https://datasheet.ciiva.com/2110/ltst-c191tbkt-2110256.pdf?src-supplier=Digi-Key, ComponentLink2Description=https://datasheet.ciiva.com/15117/getdatasheetpartid-133342-15117680.pdf?src-supplier=Verical, ComponentLink2URL=https://datasheet.ciiva.com/15117/getdatasheetpartid-133342-15117680.pdf?src-supplier=Verical, ComponentLink3Description=https://datasheet.ciiva.com/12400/lite-on-ltst-c191tbkt-187207-12400737.pdf?src-supplier=Mouser, ComponentLink3URL=https://datasheet.ciiva.com/12400/lite-on-ltst-c191tbkt-187207-12400737.pdf?src-supplier=Mouser, ComponentLink4Description=https://datasheet.ciiva.com/16444/ltst-c191tbkt-16444756.pdf?src-supplier=Future+Electronics, ComponentLink4URL=https://datasheet.ciiva.com/16444/ltst-c191tbkt-16444756.pdf?src-supplier=Future+Electronics, ComponentLink5Description=https://datasheet.ciiva.com/19465/2047945-19465673.pdf?src-supplier=Jameco, ComponentLink5URL=https://datasheet.ciiva.com/19465/2047945-19465673.pdf?src-supplier=Jameco, ComponentLink6Description=https://datasheet.ciiva.com/11774/0900766b80dc02b4-11774413.pdf?src-supplier=RSComponents, ComponentLink6URL=https://datasheet.ciiva.com/11774/0900766b80dc02b4-11774413.pdf?src-supplier=RSComponents, ComponentLink7Description=https://datasheet.ciiva.com/26913/ltst-c191tbkt-26913718.pdf?src-supplier=IIIC, ComponentLink7URL=https://datasheet.ciiva.com/26913/ltst-c191tbkt-26913718.pdf?src-supplier=IIIC, ComponentLink8Description=https://datasheet.ciiva.com/2110/s-110-ltst-c191tbkt-2110257.pdf?src-supplier=Digi-Key, ComponentLink8URL=https://datasheet.ciiva.com/2110/s-110-ltst-c191tbkt-2110257.pdf?src-supplier=Digi-Key, Depth=1.6mm, Dominant Wavelength=475nm, Height=0.55mm, Illumination Color=Blue, Lead Free="Lead Free", Length=0.8mm, Lens Style=Diffused,Colorless,Clear,Rectangular, Lens Transparency=Clear, Luminous Intensity=180mcd, Mount="Surface Mount", Number of Elements=1, Number of LEDs=1, Number of Pins=2, Packaging="Tape and Reel", Pricing 1="1=0.48000, 10=0.34200, 100=0.15200, 500=0.10640, 1000=0.08740, 2500=0.07600 (USD)", Radiation Hardening=No, RoHS=Yes, Stock 1=36274, Supplier 1=Digi-Key, Test Current=20mA, Viewing Angle=130°, Wavelength=468nm, Width=0.8mm